# Allegro board Coral-Dev-Board-baseboard-layout-Allegro.brd (continued)
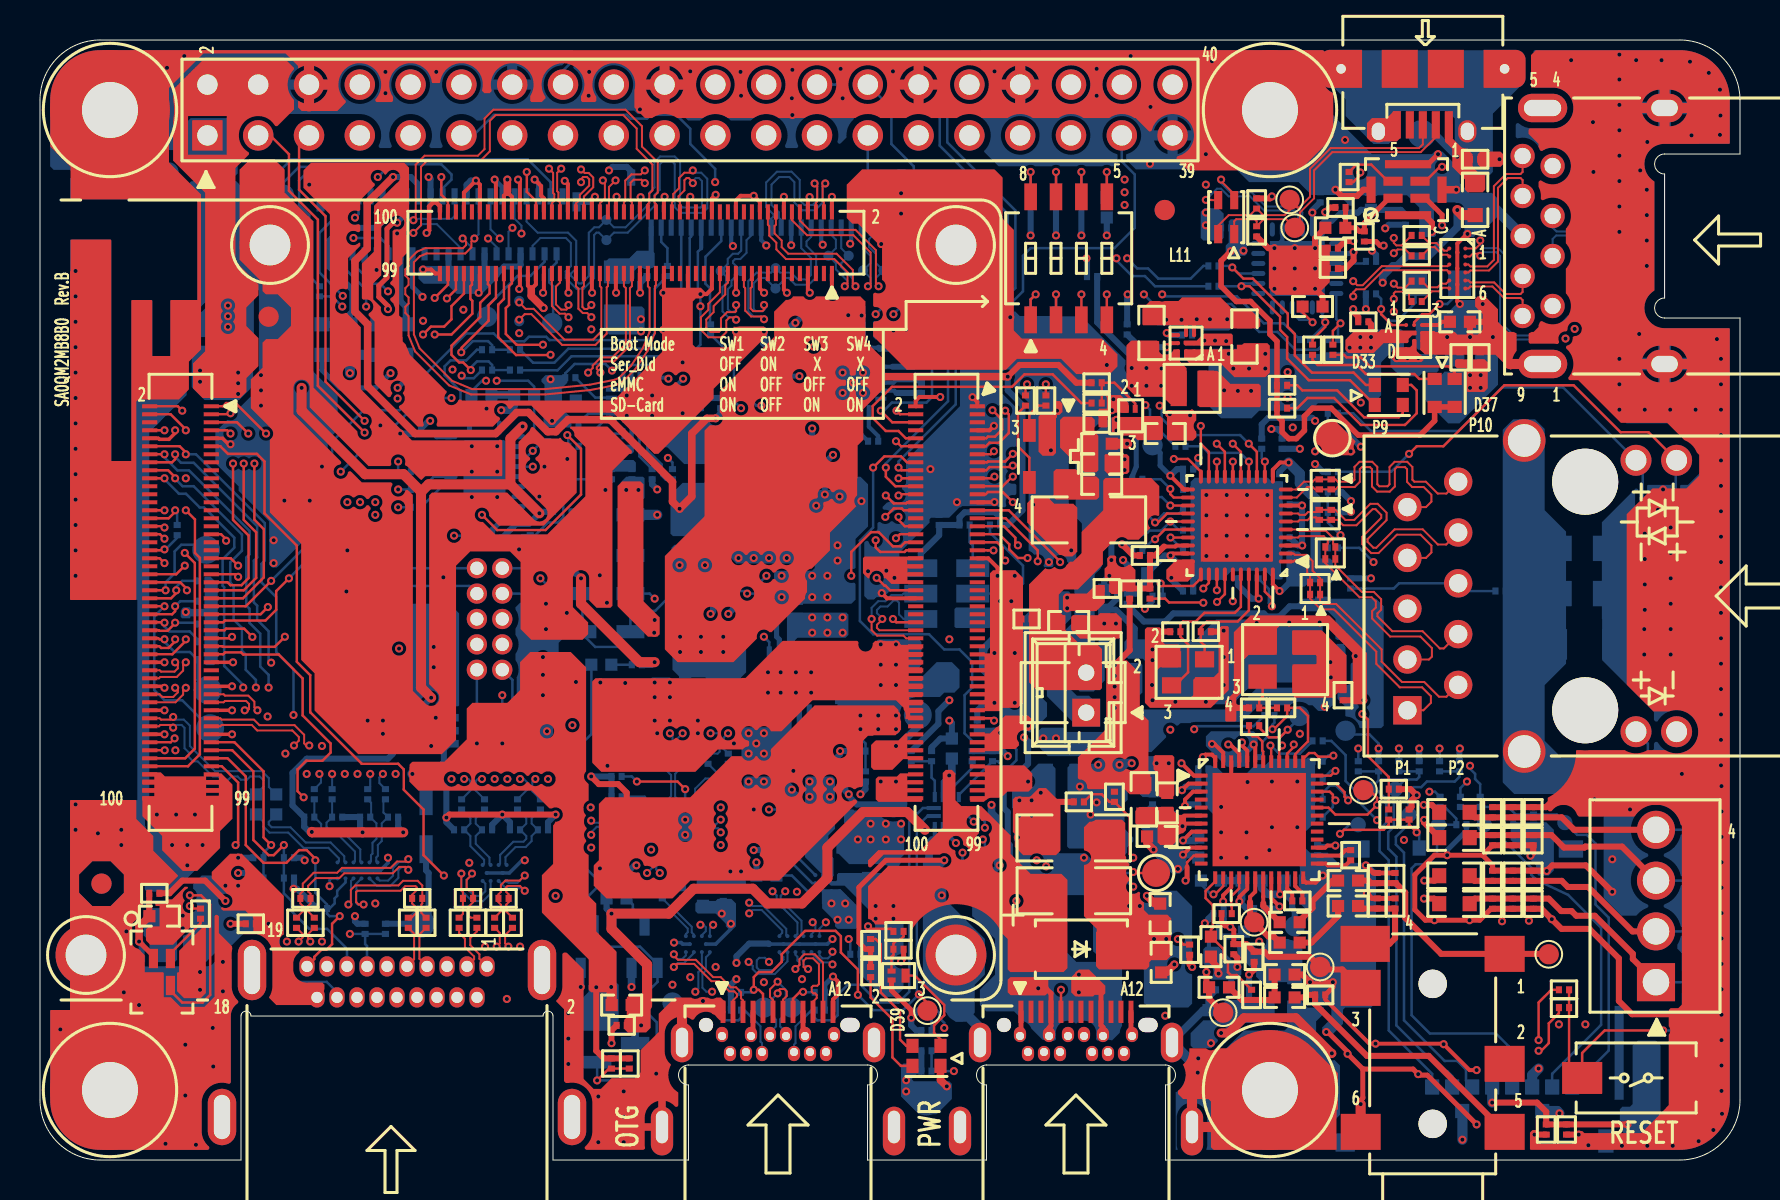
[diagram p0: board, top side]
## Copper pours and planes (outline as drawn; the poured copper is in the pictures) (continued)
GND on BOTTOM (solid shape): outline of 1046 points within 73.79,0.51 84.49,55.49
GND on BOTTOM (solid shape): outline of 1785 points within 0.51,0.51 40.69,55.49
GND on L02_GND1 (solid shape): outline of 31455 points within 0.51,0.51 84.49,55.49
GND on L03_SIG1 (solid shape): 61.8,33.63 61.8,30.3 61.49,30 58.24,30 58.06,30.18 58.06,33.5 58.37,33.81 61.62,33.81
GND on L03_SIG1 (solid shape): 64.64,4.47 64.64,1.02 64.14,0.51 58.35,0.51 58.26,0.57 58.27,0.67 58.41,0.93 58.46,1.22 58.46,2.23 57.91,3.04 56.96,2.82 56.85,2.79 56.78,2.88 56.78,3.38 57.25,4 57.14,4.77 57.31,4.95 57.42,5.17 57.43,5.21 63.91,5.21
GND on L03_SIG1 (solid shape): 26.14,36.8 26.14,36.52 26.02,36.16 26.3,35.9 26.31,35.89 26.47,35.74 26.47,31.25 29.69,28.02 29.69,21.12 30.64,20.17 34,20.17 34.53,20.7 34.53,20.82 34.54,20.83 34.54,21.01 34.57,21.02 34.74,21.47 34.31,21.68 34.28,21.67 34.16,21.79 34.09,21.79 34.02,21.86 33.92,21.92 33.81,21.95 33.66,21.95 33.54,21.92 33.44,21.86 33.22,21.64 33.22,21.52 33.22,21.51 33.17,21.34 33.21,21.17 33.23,21.14 33.15,21.06 32.79,21.06 32.49,21.36 32.49,23.01 32.82,23.34 33.56,23.34 35.18,21.73 35.21,21.66 35.18,21.58 35.1,21.21 35.41,20.98 35.43,20.98 35.46,20.95 35.46,20.73 35.44,20.69 35.41,20.68 35.1,20.44 35.18,20.06 35.22,19.99 35.19,19.92 34.57,19.3 34.32,19.3 34.07,19.56 30.26,19.56 28.83,20.99 28.83,27.01 27.22,28.62 27.19,28.7 27.24,28.78 27.38,29.23 26.95,29.43 26.86,29.44 26.82,29.52 26.82,29.8 26.11,30.51 26.11,35.77 25.35,36.53 25.35,37.24 25.4,37.29 25.65,37.29
GND on L03_SIG1 (solid shape): outline of 406 points within 26.01,10.95 38.39,28.71
GND on L03_SIG1 (solid shape): outline of 473 points within 10.92,20.29 24.05,31.5
GND on L03_SIG1 (solid shape): outline of 1126 points within 27.25,41.33 65.21,49.96
GND on L03_SIG1 (solid shape): outline of 2796 points within 0.51,0.51 39.98,55.49
GND on L03_SIG1 (solid shape): outline of 7047 points within 26.16,0.51 84.49,55.49
GND on L04_GND2 (solid shape): outline of 32060 points within 0.51,0.51 84.49,55.49
GND on L05_PWR1 (solid shape): outline of 9568 points within 0.51,0.51 84.49,55.49
GND on L06_SIG2 (solid shape): 59.68,33.87 59.77,33.81 59.75,33.7 59.66,33.61 59.66,29.79 59.89,29.56 59.89,27.34 59.69,27.14 59.69,23.13 59.68,23.12 59.68,22.85 59.56,22.73 55.63,22.73 55.09,23.27 55.09,25.68 55.65,26.24 58.24,26.24 59.36,27.36 59.36,27.45 59.46,27.55 59.46,27.89 59.46,29.03 59.46,29.09 59.36,29.19 59.36,29.31 59.08,29.59 59.08,33.39 59.56,33.87
GND on L06_SIG2 (solid shape): outline of 222 points within 24.99,23.01 38.81,29.49
GND on L06_SIG2 (solid shape): outline of 250 points within 39.16,43.02 54.48,48.16
GND on L06_SIG2 (solid shape): 25.19,11.49 25.21,11.38 25.11,11.32 24.39,11.02 24.08,10.3 24.08,8.7 24.19,8.25 24.48,7.89 24.52,7.78 24.42,7.71 22.26,7.71 22.26,8.55 21.41,8.52 20.93,8.81 20.38,8.63 20.35,8.62 20.32,8.63 20.08,8.78 19.82,8.82 19.74,8.84 19.71,8.92 19.71,9.1 19.82,9.18 19.91,9.29 20.35,9.1 20.79,9.29 21.27,9 21.82,9.18 21.85,9.19 21.88,9.18 22.84,9.2 22.85,10.15 22.83,10.25 22.91,10.32 22.99,10.35 23.06,10.39 23.13,10.42 23.19,10.39 23.78,10.67 23.19,10.94 23.13,10.92 23.06,10.94 22.61,10.95 22.52,10.51 22.51,10.41 22.41,10.36 22.13,10.33 21.88,10.18 21.85,10.17 21.82,10.18 21.27,10.36 20.79,10.07 20.35,10.26 19.91,10.07 19.82,10.18 19.71,10.26 19.71,11.07 20.4,11.76 24.92,11.76
GND on L06_SIG2 (solid shape): outline of 340 points within 25.79,0.51 32.12,10.42
GND on L06_SIG2 (solid shape): outline of 352 points within 60.4,23.1 64.26,36.83
GND on L06_SIG2 (solid shape): outline of 1367 points within 0.51,0.51 38.21,55.49
GND on L06_SIG2 (solid shape): outline of 2860 points within 54.81,0.51 84.49,55.49
GND on L07_GND3 (solid shape): outline of 32056 points within 0.51,0.51 84.49,55.49
GND_CHASSIS on BOTTOM (solid shape): 75.24,36.55 75.24,32.49 76.3,31.42 76.3,24.82 75.24,23.75 75.24,20.96 76.08,20.11 77,20.11 77.4,19.7 77.4,18.48 77.22,18.3 73.71,18.3 73.14,18.87 73.14,36.51 73.66,37.03 74.75,37.03
V3V3_VIO on BOTTOM (solid shape): 60.35,46.94 60.35,45.31 60.25,45.21 59.41,45.21 59.28,45.34 59.28,45.72 59.44,45.87 59.44,46.94 59.54,47.04 60.25,47.04
V3V3_VIO on L06_SIG2 (solid shape): 63.82,47.6 63.9,47.56 63.92,47.48 64.26,47.04 64.61,47.48 64.63,47.56 64.71,47.6 66.98,47.6 67.56,47.02 67.56,46.48 67.46,46.37 67.38,46.28 67.34,46.16 67.3,46.09 67.23,46.07 66.91,45.94 66.85,45.6 66.89,45.47 66.89,45.44 66.88,45.42 66.68,45.21 66.47,45.21 66.02,45.66 66.02,45.85 66.02,45.86 65.81,46.28 65.37,46.13 65.35,46.11 65.32,46.1 61.6,46.1 60.66,45.16 59.36,45.16 59.21,45.31 59.21,46.25 60.55,47.6
VDD_3V3 on TOP (solid shape): 44.09,19.19 43.38,19.19 43.36,19.17 43.36,19 43.38,18.98 44.09,18.98 44.09,18.79 43.38,18.79 43.37,18.78 43.37,18.6 43.38,18.59 44.09,18.59 44.09,18.39 43.38,18.39 43.37,18.38 43.37,18.19 43.38,18.18 44.09,18.18 44.09,17.91 41.91,17.91 41.78,18.03 41.78,19.05 41.91,19.18 42.85,19.18 43,19.33 44.09,19.33
VDD_3V3 on BOTTOM (solid shape): 64.64,23.62 64.64,22.76 64.34,22.45 63.91,22.45 63.63,22.73 63.44,22.73 63.42,22.74 62.96,22.91 62.5,22.73 61.09,22.73 61.07,22.72 60.92,22.72 60.11,21.91 57.77,21.91 57.75,21.9 57.67,21.9 57.57,21.88 57.52,21.84 57.02,21.84 56.93,21.75 56.85,21.72 56.78,21.75 56.26,21.77 56.28,21.25 56.31,21.18 56.28,21.1 55.58,20.4 55.16,20.4 55.08,20.32 52.71,20.32 52.58,20.19 50.39,20.19 49.83,20.75 49.83,21.37 50.08,21.62 51.29,21.62 51.33,21.6 51.34,21.56 51.34,21.4 52.3,21.4 52.32,21.4 53.27,21.4 53.27,21.56 53.29,21.6 53.33,21.62 53.7,21.62 54.61,22.53 59.77,22.53 60.86,23.62 63.61,23.62 63.73,23.75 64.52,23.75
VDD_3V3 on L03_SIG1 (solid shape): outline of 271 points within 41.78,18.16 51.22,22.86
VDD_3V3 on L06_SIG2 (solid shape): outline of 236 points within 63.88,22.43 66.33,36.7
VDDA_1V8 on TOP (solid shape): 49.62,19.33 49.62,18.61 49.42,18.41 48.36,18.41 48.06,18.11 47.5,18.1 47.44,18.08 47.37,18.05 47.31,18 47.25,17.96 47.2,17.91 46.51,17.91 46.51,18.18 47.22,18.18 47.24,18.2 47.24,18.37 47.22,18.39 46.51,18.39 46.51,18.58 47.22,18.58 47.24,18.6 47.24,18.77 47.22,18.78 46.51,18.78 46.51,18.99 47.15,18.99 47.16,18.99 47.22,18.99 47.24,19.01 47.24,19.17 47.23,19.18 46.51,19.18 46.51,19.37 47.21,19.37 47.24,19.4 47.24,19.57 47.22,19.59 46.51,19.59 46.51,19.73 49.21,19.73
ANALOG_1V8 on TOP (solid shape): 56.69,17.6 56.69,17.45 56.88,17.26 57.21,17.26 57.3,17.17 57.3,16.49 57.15,16.33 57.13,16.33 56.88,16.2 56.8,15.93 56.79,15.91 56.78,15.89 56.64,15.75 56.01,15.75 55.88,15.88 55.88,16.64 55.86,16.65 55.86,16.69 55.83,16.69 55.78,16.74 54.86,16.74 54.76,16.84 54.76,17.45 54.97,17.65 56.64,17.65
ANALOG_3V3 on BOTTOM (solid shape): 62.42,11.05 62.54,11 62.67,10.98 62.69,10.97 63.12,10.54 63.12,9.02 62.99,8.89 61.09,8.89 60.8,9.18 60.8,9.21 60.79,9.37 60.71,9.51 60.69,9.54 60.62,9.59 60.54,9.62 60.29,9.86 60.27,9.86 60.03,10.11 59.92,10.11 59.87,10.16 59.87,10.72 59.94,10.79 60.63,10.79 60.64,10.77 61.07,10.58 61.31,10.99 61.31,11.01 61.34,11.05
BB_1V8 on TOP (solid shape): outline of 164 points within 51.89,18.29 55.52,24.99
BB_1V8 on TOP (solid shape): outline of 959 points within 27.69,13.08 43.05,22.73
BB_1V8 on BOTTOM (solid shape): 35.29,14.74 35.29,13.81 34.87,13.39 32.94,13.39 32.84,13.49 32.84,14.53 33.35,15.04 35,15.04
BB_1V8 on BOTTOM (solid shape): 54.32,24.86 55.02,24.86 55.12,24.77 55.12,23.37 54.12,22.38 53.62,22.38 53.52,22.48 53.52,24.82 53.65,24.95 54.23,24.95
BB_1V8 on BOTTOM (solid shape): 45.97,24.51 45.97,23.62 45.72,23.37 45.21,23.37 44.99,23.15 43.98,23.15 43.25,22.89 42.99,22.16 42.99,21.42 42.87,21.3 40.04,21.3 39.88,21.46 39.88,23.5 40.01,23.62 41.4,23.62 41.78,23.24 42.86,23.24 43.43,23.81 43.43,24 43.56,24.13 44.07,24.13 44.83,24.89 45.59,24.89
BB_1V8 on L06_SIG2 (solid shape): outline of 734 points within 39.93,20.83 54.65,26.9
BB_3V3 on TOP (solid shape): 65.33,25.25 65.33,23.42 65.28,23.37 64.9,23.37 64.64,23.11 62.74,23.11 62.61,23.24 62.61,24.69 62.69,24.77 63.75,24.77 63.83,24.84 63.83,25.2 63.75,25.27 62.66,25.27 62.61,25.32 62.61,26.44 62.65,26.48 64.1,26.48
BB_3V3 on TOP (solid shape): outline of 529 points within 18.47,8.38 28.83,25.4
BB_3V3 on TOP (solid shape): outline of 1268 points within 31.24,24.89 42.13,43.18
BB_3V3 on BOTTOM (solid shape): 9.89,51.75 9.89,49.33 9.69,49.14 7.86,49.14 7.59,49.4 7.59,49.83 7.27,50.16 7.27,51.82 7.53,52.09 9.54,52.09
BB_3V3 on BOTTOM (solid shape): 30.23,42.55 30.23,41.4 30.1,41.27 28.45,41.27 28.19,41.53 28.19,42.55 28.32,42.67 30.1,42.67
BB_3V3 on BOTTOM (solid shape): 35.31,25.65 35.31,24.38 35.05,24.13 32,24.13 31.62,24.51 31.62,26.29 31.75,26.42 34.54,26.42
BB_3V3 on BOTTOM (solid shape): 41.28,42.67 41.28,41.1 41.02,40.84 40.41,40.84 40.26,41 40.26,41.55 40.08,41.73 40.08,42.7 40.18,42.8 41.15,42.8
BB_3V3 on BOTTOM (solid shape): 59.18,47.32 59.18,46.1 59.06,45.97 58.17,45.97 58.04,46.1 58.04,47.42 58.21,47.59 58.91,47.59
BB_3V3 on BOTTOM (solid shape): 65.28,25.65 65.28,24.13 65.15,24 64.52,24 64.39,24.13 64.39,25.65 64.52,25.78 65.15,25.78
BB_3V3 on BOTTOM (solid shape): 28.93,8.76 28.93,6.65 28.75,6.48 27.1,6.48 27.03,6.55 27.03,8 27.43,8.41 27.43,8.74 27.58,8.89 28.8,8.89
BB_3V3 on BOTTOM (solid shape): 8.89,28.8 8.89,24.94 8.69,24.74 8.31,24.74 8.23,24.82 8.23,25.4 8.23,25.53 8.23,26.29 8.23,26.42 8.23,27.18 7.52,27.18 7.52,27.13 7.5,27.1 7.47,27.08 7.13,27.08 7.11,27.09 7.09,27.1 7.04,27.16 7.04,27.47 7.06,27.51 7.09,27.56 7.16,27.64 7.47,27.64 7.5,27.62 7.52,27.58 7.52,27.56 8.23,27.56 8.23,28.32 8.23,28.57 8.23,29.13 8.27,29.17 8.52,29.17
BB_3V3 on BOTTOM (solid shape): 61.72,7.87 61.72,6.99 61.6,6.86 60.07,6.86 59.58,6.36 59.48,6.34 59.41,6.42 58.86,6.65 58.85,6.06 58.89,5.98 58.86,5.9 58.55,5.59 57.66,5.59 57.53,5.71 57.53,6.35 58.17,6.99 59.06,6.99 59.18,7.11 59.18,7.87 59.31,8 61.6,8
BB_3V3 on L05_PWR1 (solid shape): outline of 16366 points within 6.86,14.74 73.03,52.58
BOOST_5V on TOP (solid shape): 61.49,40.72 61.49,39.37 61.27,39.14 59.72,39.14 59.11,39.75 57.56,39.75 57.2,40.11 57.2,40.49 57.25,40.54 59.89,40.54 60.2,40.84 61.37,40.84
BOOST_5V on TOP (solid shape): 68,41.48 68.78,41.48 68.83,41.43 68.83,41.27 68.78,41.22 68.61,41.22 68.43,41.05 68.43,40.89 68.38,40.84 67.18,40.84 66.68,40.35 65.41,40.35 65.27,40.5 65.27,41.01 65.66,41.4 66.93,41.4 67.06,41.53 67.95,41.53
BOOST_5V on BOTTOM (solid shape): outline of 243 points within 58.42,37.08 68.2,41.53
BOOST_5V on L06_SIG2 (solid shape): outline of 119 points within 59.19,37.34 66.76,41.71
DCDC_3V3 on TOP (solid shape): 44.09,21.19 43.38,21.19 43.37,21.18 43.37,20.99 43.38,20.98 44.09,20.98 44.09,20.79 43.38,20.79 43.37,20.77 43.37,20.6 43.38,20.58 44.09,20.58 44.09,20.39 43.38,20.39 43.37,20.38 43.37,20.19 43.38,20.18 44.09,20.18 44.09,20.04 43.15,20.04 42.62,19.51 41.68,19.51 41.55,19.63 41.55,20.75 41.78,20.98 42.93,20.98 43.28,21.33 44.09,21.33
DCDC_5V on TOP (solid shape): 54.47,35.17 54.47,34.41 54.36,34.31 53.39,34.31 53.23,34.47 53.23,35.25 53.27,35.29 54.34,35.29
DCDC_5V on TOP (solid shape): 54.09,27.07 54.09,26.2 53.96,26.07 52,26.07 51.56,26.51 51.56,27.15 51.65,27.24 52.9,27.24 53,27.34 53.82,27.34
DCDC_5V on TOP (solid shape): 30.18,33.78 30.18,27.94 30.99,27.13 30.99,26.29 30.86,26.16 30.4,26.16 28.88,27.69 28.88,33.71 29.11,33.93 30.02,33.93
DCDC_5V on TOP (solid shape): 55.96,40.87 55.96,40.41 56.08,40.28 56.32,40.28 56.44,40.28 56.46,40.31 56.47,40.31 56.59,40.39 56.67,40.51 56.68,40.54 56.95,40.54 57,40.49 57,39.93 57.33,39.6 57.33,37.87 57.25,37.8 56.5,37.8 56.14,38.16 54.79,38.16 54.32,38.63 54.32,40.73 54.56,40.97 55.85,40.97
DCDC_5V on TOP (solid shape): 6.24,19.18 8.19,19.18 8.21,19.19 8.21,19.33 9.07,19.33 9.63,18.77 9.63,17.07 9,16.45 9,15.6 7.86,14.45 7.14,14.45 6.11,15.48 6.11,16.2 5.12,17.18 5.12,18.15 5.16,18.19 5.71,18.19 5.71,18.21 8.94,18.21 8.94,18.36 8.31,18.36 8.31,18.21 5.71,18.21 5.71,18.36 5.13,18.36 5.12,18.37 5.12,18.58 5.13,18.59 8.94,18.59 8.94,18.77 8.31,18.77 8.31,18.59 5.71,18.59 5.71,18.77 5.13,18.77 5.12,18.78 5.12,19 8.94,19 8.94,19.18 8.31,19.18 8.31,19 5.12,19 5.12,19.01 5.13,19.02 5.71,19.02 5.71,19.18 5.13,19.18 5.12,19.19 5.12,19.37 5.13,19.38 6.05,19.38
DCDC_5V on BOTTOM (solid shape): 10.69,43.42 10.69,41.33 10.52,41.15 7.77,41.15 7.65,41.27 7.65,41.98 9.27,43.61 10.51,43.61
DCDC_5V on BOTTOM (solid shape): 30.23,34.09 30.23,33.1 30.02,32.89 29.16,32.89 29.03,33.02 29.03,33.88 29.31,34.16 30.15,34.16
DCDC_5V on BOTTOM (solid shape): 37.97,33.22 37.97,32.61 38.41,32.18 38.41,30.02 38.2,29.82 34.82,29.82 34.37,30.28 34.37,33.22 34.57,33.43 37.77,33.43
DCDC_5V on BOTTOM (solid shape): 8.36,17.65 8.36,15.09 6.69,13.42 5.34,13.42 5.24,13.52 5.24,14.64 5.51,14.92 5.51,17.45 5.89,17.83 8.18,17.83
DCDC_5V on BOTTOM (solid shape): 40.42,27.27 40.42,26.25 40.28,26.11 37.88,26.11 37.86,26.1 37.67,25.91 37.67,25.91 37.58,25.82 37.58,25.04 37.54,24.99 37.36,24.99 37.35,25.01 37.35,27.27 37.44,27.37 40.32,27.37
DCDC_5V on BOTTOM (solid shape): 37.58,22.74 37.58,20.07 37.33,19.81 36.63,19.81 36.3,19.48 35.31,19.48 35.07,19.71 35.07,21.56 35.15,21.64 36.22,21.64 37.05,21.64 37.07,21.66 37.26,21.84 37.26,21.84 37.35,21.93 37.35,22.72 37.39,22.76 37.57,22.76
DCDC_5V on BOTTOM (solid shape): 54.74,19.94 54.74,19.81 54.58,19.66 54.41,19.66 54.23,19.48 54.23,18.85 54.38,18.69 54.38,18.01 54.23,17.86 54.23,16.56 54.66,16.13 54.66,15.93 54.36,15.62 54.36,15.37 53.92,14.94 53.92,14.33 53.85,14.25 53.75,14.25 53.7,14.3 53.7,14.53 53.59,14.63 53.34,14.63 53.29,14.68 53.29,14.88 52.93,15.24 52.76,15.24 52.43,15.57 51.46,15.57 51.36,15.67 51.36,18.21 51.37,18.22 51.37,19.62 51.56,19.81 52.71,19.81 52.96,20.07 54.61,20.07
DCDC_5V on BOTTOM (solid shape): outline of 89 points within 58.29,19.66 60.88,21.44
DCDC_5V on L03_SIG1 (solid shape): 55.25,19.94 55.25,18.64 54.75,18.15 54.75,15.71 54.25,15.21 52.86,15.21 51.69,16.38 51.69,18.8 53.09,20.19 54.99,20.19
DCDC_5V on L05_PWR1 (solid shape): outline of 14699 points within 5.54,10.79 62.99,43.31
DCDC_5V_CN on TOP (solid shape): outline of 189 points within 8.59,7.75 14.22,15.32
DCDC_5V_CN on BOTTOM (solid shape): outline of 173 points within 7.15,9.91 11.68,14.22
DCDC_5V_CN on L06_SIG2 (solid shape): 12.19,12.06 12.19,11.27 12.17,11.26 11.98,10.82 12.37,10.54 12.37,9.31 13,8.69 14.22,8.69 14.22,8.54 14.18,8.4 14.16,8.26 14.16,8 14.17,7.92 14.18,7.83 14.1,7.75 11.81,7.75 11.44,8.12 11.57,8.4 11.62,8.7 11.62,10.3 11.36,10.98 10.71,11.31 10.67,11.32 10.67,12.06 10.8,12.19 12.07,12.19
DCDC_5V_FT on TOP (solid shape): outline of 207 points within 6.65,38.1 12.7,55.12
DCDC_5V_FT on BOTTOM (solid shape): 10.66,40.56 10.66,38.7 9.96,38 8.23,38 7.59,38.63 7.59,40.39 7.92,40.72 10.5,40.72
DCDC_5V_FT on L03_SIG1 (solid shape): outline of 352 points within 7.49,37.74 12.7,55.12
DISP_LEDA on BOTTOM (solid shape): 33.93,33.78 33.93,31.75 33.38,31.19 31.65,31.19 31.52,31.32 31.52,33.25 32.13,33.86 33.86,33.86
ENET_AVDD33 on BOTTOM (solid shape): 62.77,30.43 62.92,30.43 62.98,30.39 63.3,30.07 64.52,30.07 64.64,29.95 64.64,28.96 64.57,28.88 63.45,28.88 63.25,28.68 62.51,28.68 62.33,28.85 62.33,30.4 62.41,30.48 62.71,30.48
ENET_LDO_OUT on TOP (solid shape): 57.73,29.97 57.73,29.26 57.39,28.92 56.45,28.92 56.31,29.06 56.31,29.51 56.73,29.93 56.78,29.97 56.82,30.02 57.68,30.02
NETC111_1 on BOTTOM (solid shape): 30.73,45.34 30.73,44.7 30.63,44.6 29.87,44.6 29.72,44.45 29.72,44.07 29.46,43.81 28.45,43.81 28.32,43.94 28.32,44.96 28.45,45.09 29.46,45.09 29.85,45.47 30.61,45.47
NETC128_2 on BOTTOM (solid shape): 29.69,35.71 29.69,35.41 29.59,35.31 28.88,35.31 28.83,35.26 28.83,35.08 28.91,35 29.67,35 29.79,34.87 29.79,34.44 29.77,34.42 28.3,34.42 28.22,34.49 28.22,35.56 28.42,35.76 29.64,35.76
NETC143_1 on TOP (solid shape): 52.73,37.02 52.73,36.41 52.92,36.22 52.92,34.49 52.81,34.38 52.23,34.38 51,35.61 51,37 51.17,37.16 52.59,37.16
NETC145_1 on TOP (solid shape): 55.96,33.7 55.96,32.24 55.93,32.21 55.9,32.2 55.47,32.09 55.49,31.64 55.52,31.6 54.93,31.01 54.4,31.01 54.36,31.03 54.36,31.03 54.28,31.1 54.18,31.13 53.92,31.09 53.76,30.89 53.74,30.86 53.71,30.85 53.58,30.85 53.14,30.41 53.14,29.78 51.9,28.53 51.19,28.53 50.94,28.28 50.94,27.44 51.14,27.24 51.27,27.24 51.27,27.24 51.27,26.51 52.01,25.77 52.88,25.77 53.1,25.55 53.1,23.59 53,23.5 49.83,23.5 49.45,23.88 49.45,28.78 50.26,29.59 50.29,29.57 50.5,29.54 50.69,29.64 50.72,29.65 50.76,29.64 51.07,29.55 51.33,29.75 51.49,29.91 51.65,29.91 52.07,30.34 52.07,31.4 53.16,32.49 53.16,33.99 53.28,34.1 55.56,34.1
NETC145_1 on BOTTOM (solid shape): 53.7,26.34 53.7,25.3 53.24,24.84 53.24,23.98 52.68,23.42 52.54,23.42 51.99,23.42 51.51,23.9 51.51,24.68 52.05,25.22 52.28,25.22 52.6,25.22 52.93,25.55 52.93,25.78 52.93,26.37 53.01,26.44 53.59,26.44
NETC151_1 on TOP (solid shape): 53.98,37.17 53.98,37.15 55.09,37.15 55.09,37.17 55.12,37.2 56.01,37.2 56.14,37.06 56.14,36.09 56.05,35.99 54.88,35.99 54.65,36.22 54.15,36.22 54.11,36.24 54.09,36.27 54.09,36.32 53.63,36.32 53.6,36.34 53.58,36.37 53.58,37.09 53.6,37.12 53.63,37.14 53.71,37.15 53.79,37.19 53.8,37.2 53.95,37.2
NETC151_1 on BOTTOM (solid shape): 52.7,27.58 52.7,27.01 52.73,26.98 52.73,26.54 52.73,25.73 52.43,25.43 51.97,25.43 51.31,24.77 51.31,23.75 51.84,23.22 52.45,23.22 52.91,22.76 52.91,22.1 52.65,21.84 51.69,21.84 50.34,23.19 50.34,25.58 51.66,26.9 51.77,27 51.77,27.71 51.87,27.81 52.48,27.81
NETC151_1 on BOTTOM (solid shape): 54.1,37.05 54.1,36.07 54,35.81 54.1,35.56 54.1,35.38 54.09,35.36 54.08,35.35 53.88,35.1 53.96,34.8 53.97,34.76 53.96,34.73 53.88,34.43 54.08,34.18 54.09,34.17 54.1,34.15 54.1,32.81 52.96,31.67 52.25,31.67 51.78,32.14 51.78,35.39 53.51,37.12 53.53,37.13 53.55,37.14 53.65,37.14 53.74,37.17 53.77,37.18 53.81,37.21 53.95,37.21
NETD13_A on BOTTOM (solid shape): 32.01,37 32.13,36.98 32.26,37 32.27,37.01 33.43,37.01 33.44,36.97 33.78,36.73 34.12,36.97 34.13,37 34.14,37.01 37.87,37.01 38.1,36.78 38.1,35.13 37.88,34.91 37.53,34.91 37.52,34.92 34.01,34.92 33.88,34.8 32.21,34.8 31.37,35.64 31.04,35.64 30.68,35.99 30.68,36.55 30.73,36.6 30.91,36.6 31.09,36.78 31.09,37.01 32,37.01
NETESD16_2 on TOP (solid shape): 70.83,50.79 71.06,50.63 71.33,50.57 71.35,50.57 71.63,50.29 71.63,49.66 71.88,49.4 72.14,49.4 72.26,49.28 72.26,48.51 72.14,48.39 71.37,48.39 71.25,48.51 71.25,49.02 70.61,49.66 70.61,50.67 70.74,50.8 70.82,50.8
NETF3_2 on BOTTOM (solid shape): 6.8,12.38 6.81,12.35 6.8,12.33 6.79,12.16 6.86,12 6.86,11.8 6.78,11.58 6.86,11.36 6.86,10.01 6.74,9.89 5.82,9.89 5.47,10.24 5.47,10.94 5.18,11.23 5.18,12.39 5.38,12.59 6.58,12.59
NETFB1_1 on BOTTOM (solid shape): outline of 154 points within 62.87,21.59 67.18,28.07
NETFB6_1 on TOP (solid shape): 68.02,52.32 68.02,51.1 67.84,50.93 66.52,50.93 66.35,51.1 66.35,51.84 66.6,52.1 67.34,52.1 67.67,52.43 67.92,52.43
NETFB6_1 on BOTTOM (solid shape): 74.17,55.24 74.17,53.85 72.64,52.32 72.64,50.17 72.62,50.04 72.64,49.9 72.64,49.4 72.44,49.2 71.43,49.2 71.25,49.38 71.25,50.29 70.74,50.8 70.74,52.07 70.36,52.45 68.07,52.45 67.69,52.07 67.69,51.05 67.44,50.8 66.68,50.8 65.28,52.2 65.28,53.04 64.44,53.87 64.44,55.22 64.71,55.49 73.92,55.49
NETL9_2 on TOP (solid shape): 58.36,39.46 58.86,39.46 59.51,38.81 60.93,38.81 61.04,38.71 61.04,37.69 60.99,37.64 57.99,37.64 57.89,37.74 57.89,39.42 57.94,39.47 58.34,39.47
NETL9_2 on TOP (solid shape): 59.64,41.25 59.64,40.79 59.56,40.72 57.25,40.72 57.18,40.79 57.18,40.94 57.2,40.97 57.84,40.97 58.19,41.33 59.56,41.33
NETL9_2 on L06_SIG2 (solid shape): 59.69,41.2 59.69,40.82 59.61,40.74 59.31,40.74 59.3,40.73 59.27,40.73 58.99,40.45 58.99,39.2 59.48,38.71 60.63,38.71 60.76,38.58 60.76,37.72 60.63,37.59 58.86,37.59 57.68,38.77 57.68,41.02 58.01,41.35 59.54,41.35
NETR162_1 on TOP (solid shape): 68.83,41 68.83,40.46 69.17,40.12 69.17,40 69.07,39.9 67.74,39.9 67.61,40.03 67.61,40.46 67.79,40.64 68.5,40.64 68.61,40.74 68.61,41 68.66,41.05 68.78,41.05
NETR162_1 on BOTTOM (solid shape): 69.94,40.15 69.94,39.48 69.82,39.37 69.14,39.37 68.95,39.18 68.01,39.18 67.53,39.66 67.53,40.05 67.78,40.3 69.78,40.3
NETR200_1 on TOP (solid shape): 52.15,34.18 52.81,34.18 52.96,34.04 52.96,33.15 52.83,33.02 50.8,33.02 50.67,33.15 50.67,34.42 50.8,34.54 51.79,34.54
NVCC_ENET_2V5 on TOP (solid shape): 53.24,28.6 53.24,28.19 53.24,27.86 52.82,27.44 51.23,27.44 51.15,27.53 51.15,28.19 51.28,28.32 52.34,28.32 52.77,28.75 53.08,28.75
NVCC_ENET_2V5 on TOP (solid shape): 49.61,22.02 49.61,21.59 49.48,21.46 49.33,21.46 49.33,21.47 48.91,21.34 48.93,20.9 48.95,20.88 48.95,20.82 48.95,20.76 48.96,20.74 48.77,20.55 48.03,20.55 47.92,20.44 46.51,20.44 46.51,20.58 47.21,20.58 47.23,20.59 47.23,20.78 47.22,20.79 46.51,20.79 46.51,20.98 47.22,20.98 47.23,20.99 47.23,21.17 47.22,21.19 46.51,21.19 46.51,21.33 47.5,21.33 47.8,21.63 47.99,21.77 48.06,22 48.06,22.02 48.26,22.23 49.4,22.23
NVCC_ENET_2V5 on BOTTOM (solid shape): outline of 199 points within 46.94,21.11 51.56,28.43
SW_1P8 on BOTTOM (solid shape): 41.02,25.27 41.4,25.27 41.53,25.15 41.53,24.26 41.4,24.13 39.5,24.13 39.12,24.51 39.12,24.89 38.99,25.02 38.48,25.02 38.35,25.15 38.35,25.65 38.48,25.78 40.51,25.78
SW_3P3 on BOTTOM (solid shape): 35.94,23.24 35.94,22.86 36.07,22.73 36.45,22.73 36.58,22.61 36.58,22.1 36.45,21.97 33.78,21.97 33.15,22.61 33.15,23.37 33.27,23.5 35.69,23.5
USB_VBUS_1 on TOP (solid shape): outline of 426 points within 41.4,9.4 51.37,19.51
USB_VBUS_1 on BOTTOM (solid shape): 43.17,14.1 43.17,10.39 43.14,10.32 43.07,10.29 42.7,9.93 43.07,9.58 43.14,9.55 43.17,9.47 43.17,8.57 42.76,8.16 42.13,8.16 40.89,9.4 40.89,11.05 41.21,11.36 41.24,11.37 41.25,11.36 41.72,11.53 41.56,12 41.54,12.02 41.53,12.05 41.53,12.42 40.23,13.72 39.55,13.72 39.47,13.79 39.47,13.89 39.52,13.94 39.8,13.94 39.85,14 39.85,14.27 39.93,14.35 42.93,14.35
USB_VBUS_1 on L06_SIG2 (solid shape): outline of 313 points within 35.31,6.02 43.29,13.03
USB_VBUS_2 on TOP (solid shape): 71.63,40.03 72.24,40.03 72.39,39.88 72.39,38.59 72.21,38.4 71.38,38.4 71.3,38.48 71.3,39.57 71.28,39.59 70.84,39.59 70.75,39.68 70.75,39.98 70.8,40.03 71.37,40.03 71.4,40.05 71.61,40.05
USB_VBUS_2 on BOTTOM (solid shape): 72.9,40.46 72.9,38.76 70.97,36.83 70.41,36.83 69.11,38.13 69.11,38.96 69.27,39.12 69.93,39.12 70.23,39.42 71.4,39.42 71.76,39.78 71.76,40.49 71.83,40.56 72.8,40.56
USB_VBUS_2 on L03_SIG1 (solid shape): outline of 247 points within 69.72,38.35 77.04,43.94
USB_VBUS_2 on L06_SIG2 (solid shape): outline of 481 points within 69.22,37.85 77.6,43.81
USB_VIN on TOP (solid shape): 50.42,9.02 50.42,8.38 50.27,8.23 48.95,8.23 48.93,8.24 48.53,8.24 48.39,8.38 48.39,9.02 48.51,9.14 50.29,9.14
USB_VIN on TOP (solid shape): 53.26,8.71 53.26,8.33 53.19,8.26 52.73,8.26 52.65,8.18 51.77,8.18 51.56,8.38 51.56,9.14 51.94,9.53 52.45,9.53
USB_VIN on BOTTOM (solid shape): 39.75,19.05 39.75,16.56 39.42,16.23 39.42,15.34 39.68,15.09 39.68,14.2 39.6,14.12 39.29,14.12 39.27,14.1 39.27,13.79 39.22,13.74 39.09,13.74 39.07,13.77 39.07,14.33 38.25,15.14 38.25,19.08 38.35,19.18 39.62,19.18
USB_VIN on BOTTOM (solid shape): outline of 157 points within 46.61,5.97 54.1,13.34
USB_VIN on L03_SIG1 (solid shape): outline of 1161 points within 38.23,5.95 54.36,19.18
VSD_3V3 on TOP (solid shape): 30.53,8.18 30.53,6.6 30.3,6.38 29.39,6.38 29.21,6.55 29.21,7.01 29.34,7.14 29.34,8.13 29.49,8.28 30.43,8.28
VSD_3V3 on BOTTOM (solid shape): 81.03,5.71 81.03,1.52 80.77,1.27 79.25,1.27 78.99,1.52 78.99,2.54 79.12,2.67 79.5,2.67 79.63,2.79 79.63,5.71 79.88,5.97 80.77,5.97
VSYS on TOP (solid shape): 54.27,16.85 54.27,15.2 54.3,15.17 54.31,15.15 54.31,15.14 54.33,14.97 54.44,14.84 54.47,14.76 54.44,14.68 54.31,14.39 54.45,14.12 54.49,14.03 54.45,13.95 54.38,13.44 54.9,13.4 54.93,13.41 54.97,13.4 55.01,13.36 55.01,13.33 55.01,13.32 55.01,13.08 55.17,12.9 55.19,12.88 55.19,12.5 55.43,12.27 56.37,12.27 56.56,12.07 56.56,11.17 56.56,11.16 56.54,11.05 56.56,10.94 56.56,10.93 56.56,10.22 56.33,9.99 55.57,9.99 55.47,9.9 55.47,9.69 55.31,9.53 52.96,9.53 52.83,9.65 52.83,11.56 52.2,12.19 52.2,14.73 52.22,14.76 52.24,14.76 52.55,15.11 52.24,15.47 52.22,15.47 52.2,15.5 52.2,16.64 52.46,16.9 52.48,16.91 52.65,16.94 52.78,17.02 54.1,17.02
VSYS on BOTTOM (solid shape): outline of 172 points within 52.65,7.62 57.61,14.45

Small or netless copper shapes (teardrops, artwork), in the pictures only: 31 on TOP, 3 on BOTTOM

## Text on the board
Ref Des/Silkscreen Bottom: Display Connector | Camera Connector
Ref Des/Silkscreen Top: Boot Mode | Ser_Dld | eMMC | SD-Card | SW1 | OFF | ON | SW2 | SW3 | X | SW4 | SA0QM2MB8B0  Rev.B | RESET | OTG | PWR
User.9: 85.00 | 56.00
User.18: FIGURE | SIZE | 8.0 | 16.0 | 22.0 | 26.0 | 32.0 | 36.0 | 40.0 | 41.0 | 52.0 | 64.0 | 80.0 | 110.0 | 28.0 | 56.0 | 130.0 | 34.0x26.0 | 50.0x33.0 | 52.0x32.0 | 58.0x24.0 | 64.0x24.0 | 73.0x32.0 | 87.0x32.0 | 95.0x32.0 | 38.0x28.0 | DRILL CHART: TOP to BOTTOM | ALL UNITS ARE IN MILS | PLATED | NON-PLATED | QTY | 1187 | 24 | 19 | 10 | 9 | 2 | 40 | 4
